# KiCad board Chameleon v1_0.kicad_pcb (continued)
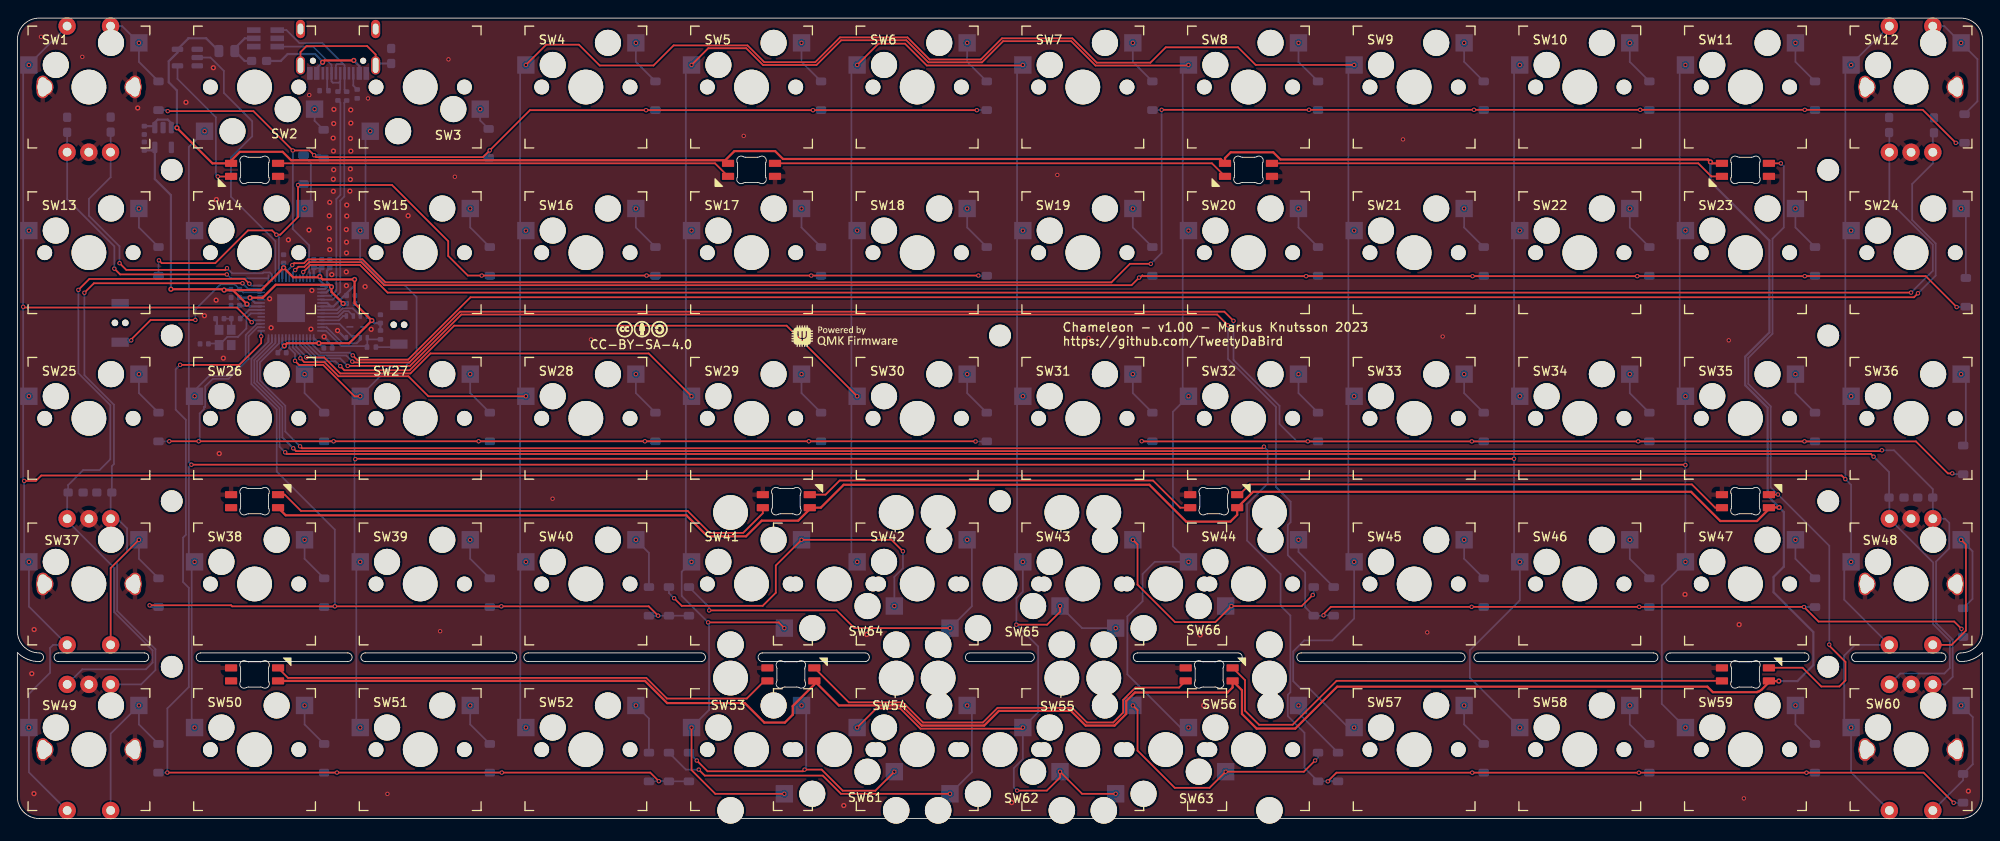
[diagram p0: board, top side]
## Nets (continued)
Net-(RGB6-DOUT): RGB6.1 RGB7.3
Net-(RGB7-DOUT): RGB7.1 RGB8.3
Net-(RGB10-DIN): RGB9.1 RGB10.3
Net-(RGB10-DOUT): RGB10.1 RGB11.3
Net-(RGB11-DOUT): RGB11.1 RGB12.3
Net-(U2-CLK): U2.6 U3.52
Net-(U2-DI(IO0)): U2.5 U3.53
Net-(U2-DO(IO1)): U2.2 U3.55
Net-(U2-IO2): U2.3 U3.54
Net-(U2-IO3): U2.7 U3.51
Net-(U2-~{CS}): R4.1 R7.2 U2.1 U3.56
Net-(U3-RUN): R3.2 SW67.2 U3.26
Net-(U3-XIN): C14.1 U3.20 Y1.1
Net-(U3-XOUT): R10.1 U3.21

Pads without a net: J1 A8 B8 S2; RGB8 1; RGB12 1; U1 4; U2 9; U3 9 24 25 35 37 38 40; U4 1; U5 4 6

## Via types
v1: diameter 0.5, hole 0.3, Top to Bottom, 263 vias
v2: diameter 0.6, hole 0.3, Top to Bottom, 75 vias

## Routing (per net, layer and track width the routed paths; a pad name or vN(x,y) marks a point on that pad's centre or on a via; arc(x,y) is an arc through that point)
+1V1: length 22.6
  Top w0.254: v2(37.46,59.22) 36.12,60.57 v2(36.12,61.15) 35.88,61.38 29.7,61.38 28.21,59.89 v2(26.74,59.89)
  Bottom w0.254: C10.1 v2(37.46,59.22) 36.75,58.51 34.93,58.51 ; U3.23 27.34,59.29 v2(26.74,59.89) 26.72,59.91 C8.1 ; U3.45 35.52,60.49 36.12,61.09 v2(36.12,61.15) 35.6,61.67 35.6,63 C9.1
+3V3: length 86.3
  Top w0.254: v2(26.39,59.15) 24.78,60.77 v2(23.77,60.77) ; v2(17.66,60.87) 23.67,60.87 v2(23.77,60.77) ; v2(23.77,60.77) 28.04,60.77 v2(30.61,63.34) 31.72,62.24 34.67,62.24 v2(34.77,62.33) 35.1,62 38.77,62 v2(38.78,61.99) 38.78,59.25 v2(40.76,57.27) 38.15,54.66 v2(34.67,54.66) 31,54.66 v2(30.69,54.36)
  Bottom w0.254: v2(23.77,60.77) 23.84,60.84 R3.1 ; U3.22 26.66,58.89 v2(26.39,59.15) 26.23,58.99 C6.1 ; C3.1 v2(30.61,63.34) 30.47,63.2 U3.33 ; 34.07,63.18 34.23,63.33 C1.1 34.77,63.08 v2(34.77,62.33) 34.77,61.91 35.56,61.11 ; 34.07,63.18 U3.42 ; 34.07,63.18 34.09,63.2 C7.1 ; U2.8 v2(40.76,57.27) 41.05,56.97 C13.1 41.75,56.96 R7.1 ; U3.44 35.34,60.89 35.56,61.11 ; v2(38.78,61.99) 38.78,61.32 36.35,58.89 U3.49 ; U3.43 35.39,61.29 35.56,61.11 ; 35.19,54.14 v2(34.67,54.66) U3.1 ; U3.10 30.47,54.58 v2(30.69,54.36) 29.95,53.62 C2.1 ; v2(17.66,60.87) 17.66,71.69 15.8,73.54 U1.5 15.46,76.84 C12.1 ; U3.48 35.64,59.29 36.05,58.89
+5V: length 648.1
  Top w0.254: v2(202.56,15.8) 201.44,15.8 RGB9.4 201.43,15.66 200.56,14.8 200.34,14.65 200.09,14.56 200.06,14.53 194.97,14.53 194.35,15.16 151.77,15.16 146.96,10.34 142.51,10.34 140.82,12.03 140.82,14.75 RGB10.4 139.75,15.08 139.16,14.49 128.51,14.49 127.51,13.49 127.51,12.03 126.17,10.69 122.85,10.69 121.16,12.38 112.87,12.38 111.18,10.69 104,10.69 101.68,13.01 94.47,13.01 RGB11.4 91.65,15.42 89.16,12.93 89.16,11.93 88.27,11.03 85.89,11.03 83.66,13.27 74.72,13.27 72.18,15.82 RGB12.4 ; RGB4.4 194.86,75.35 v2(194.7,75.51) 194.41,75.79 145.25,75.79 144.43,76.62 139.53,76.62 138.88,75.96 RGB3.4 138.37,75.85 88.04,75.85 87.14,76.75 82.45,76.75 81.4,75.7 31.48,75.7 30.51,76.67 25.57,76.67 24.57,75.67 RGB1.4 22.43,75.35 v2(18.34,79.43) ; RGB8.4 30.85,34.87 76.94,34.87 79.36,32.45 83.8,32.45 85.59,34.25 89.79,34.25 91.12,35.59 RGB7.4 92.39,35.75 95.03,38.38 130.18,38.38 134.41,34.14 139.5,34.14 140.28,34.92 RGB6.4 142.1,37.57 192.48,37.57 195.84,34.21 200.05,34.21 201.43,35.59 RGB5.4 201.45,35.77 v2(202.6,35.77)
  Bottom w0.254: v2(194.7,75.51) 194.7,73.25 201.48,66.46 201.48,55.91 198.69,53.12 198.69,49.83 201.28,47.25 201.28,37.1 v2(202.6,35.77) 203.14,35.24 203.14,28.96 201.96,27.77 201.96,26.02 206.53,21.44 206.53,17.64 204.69,15.8 v2(202.56,15.8) ; C11.1 15.64,79.62 U1.1 15.8,80.04 16.14,80.38 17.3,80.38 17.7,79.97 U1.3 17.73,79.43 v2(18.34,79.43) 18.34,83.74 17.41,84.68 17.41,87.09 18.41,88.1 U4.5 19.67,89.73 19.67,89.73 21.7,89.73 F1.2
GND: length 4.5
  Bottom w0.254: U2.4 37.64,55.29 v2(36.81,56.11) ; Y1.2 22.95,56.45 22.95,57.33 C15.2 ; v2(35.27,55.41) 36.2,54.47 C4.2
  vias: v1(2.71,89.9) v1(7.46,87.59) v1(33.56,83.2) v1(40.31,82.81) v1(42.55,2.83) v1(48.61,21.54) v1(49.58,87.3) v1(50.3,73.8) v1(61.55,36.78) v1(65.97,55.09) v1(83.53,78.5) v1(119.59,74.01) v1(123.19,55.25) v1(159.34,78.1) v1(162.13,21.4) v1(163.91,55.43) v1(196.81,54.99) v1(198.54,2.31) v2(1.66,16.66) v2(1.92,21.73) v2(1.91,2.86) v2(13.84,81.71) v2(19.38,82.36) v2(21.5,57.82) v2(22.53,86.34) v2(22.88,71.18) v2(22.85,59.61) v2(23.21,41.97) v2(23.69,52.94) v2(29,59.77) v2(29.17,56.44) v2(31.16,66.55) v2(33.53,67.68) v2(33.75,56.28) v2(33.86,60.73) v2(35.91,70.86) v2(35.86,69.31) v2(35.86,67.89) v2(35.89,66.57) v2(35.91,65.43) v2(36.15,62.55) v2(36.31,78.25) v2(36.34,76.76) v2(36.33,73.52) v2(36.33,72.13) v2(36.4,81.55) v2(36.38,79.92) v2(36.38,74.61) v2(37.83,67.73) v2(37.83,62.86) v2(37.83,61.28) v2(37.88,70.55) v2(37.88,69.29) v2(37.84,66.28) v2(37.84,65.04) v2(38.23,72.15) v2(38.33,81.49) v2(38.34,79.97) v2(38.3,78.21) v2(38.34,76.75) v2(38.3,74.71) v2(38.3,73.49) v2(39.98,61.17) v2(40.69,56.26) v2(44.94,69.32) v2(95.03,1.49) v2(97.68,21.16) v2(114.34,1.83) v2(136.03,21.12) v2(136.43,13) v2(191.78,25.77) v2(198,22.3) v2(224.36,3.16)
VBUS: length 5.4
  Bottom w0.254: U5.5 26.15,89.72 25,88.57 F1.1 26.14,87.12 FB1.2
/DN: length 24.2
  Bottom w0.2: R6.1 37.14,82.31 37.14,71.71 36.68,71.25 36.68,60.72 36.08,60.12 34.94,60.12 U3.46
/DP: length 24.9
  Bottom w0.2: U3.47 34.94,59.67 36.27,59.67 37.13,60.53 37.13,71.06 37.6,71.53 37.6,82.31 R5.1
Col_0: length 440.9
  Top w0.2: v1(210.22,39.03) 209.8,39.45 2.74,39.45 2.12,38.82 v1(0.78,38.82) ; v1(0.66,58.85) 0.75,58.76 25.24,58.76 26.94,57.07 v1(26.95,57.07)
  Bottom w0.2: v1(26.95,57.07) 27.16,57.29 U3.18 ; ENC6.S1 210.88,5.32 v1(210.88,10.46) 210.09,11.25 210.09,18.74 211.32,19.97 ENC4.S1 210.09,25.16 210.09,28.73 v1(210.88,29.51) 210.88,38.37 v1(210.22,39.03) 210.22,47.91 v1(210.87,48.56) 210.22,49.22 210.22,66.96 v1(210.87,67.61) 210.22,68.27 210.22,86.01 v1(210.87,86.66) 210.87,86.72 ENC2.S2 ; ENC5.S1 1.32,5.32 v1(1.32,10.46) 1.32,14.33 3.75,16.76 3.75,19.61 4.12,19.97 ENC3.S1 1.33,24.37 v1(1.33,29.51) 0.78,30.05 v1(0.78,38.82) 0.66,38.94 0.66,47.9 v1(1.33,48.56) 0.66,49.23 v1(0.66,58.85) 0.66,66.95 v1(1.33,67.61) 0.66,68.28 0.66,86 v1(1.33,86.66) 1.33,86.73 5.73,91.12
Col_1: length 335.3
  Top w0.2: v1(20.02,40.69) 191.78,40.69 v1(191.82,40.65)
  Bottom w0.2: v1(20.37,10.46) 20.05,10.79 20.05,29.18 v1(20.38,29.51) 19.71,30.18 19.71,40.39 v1(20.02,40.69) 19.71,40.99 19.71,47.91 v1(20.37,48.56) ; v1(20.37,48.56) 20.37,49.22 22.05,50.89 24.14,50.89 26.26,53.01 26.26,55.61 27.54,56.89 U3.17 ; v1(20.37,48.56) 19.71,49.22 19.71,66.95 v1(20.38,67.61) 19.71,68.28 19.71,77.24 v1(21.52,79.04) ; v1(191.82,10.46) 189.1,13.18 189.1,26.8 v1(191.82,29.51) v1(191.82,48.56) 191.16,49.22 191.16,66.95 v1(191.83,67.61) 191.16,68.28 191.16,86.66
  vias: v1(191.83,86.66)
Col_2: length 305.5
  Top w0.2: v1(172.12,41.37) 38.91,41.37 v1(38.86,41.33) ; v1(31.92,52.63) 32.41,52.15 35.17,52.15 38.77,48.56 v1(39.43,48.56)
  Bottom w0.2: v1(172.77,86.66) 172.12,86.01 172.12,68.27 v1(172.77,67.61) 172.12,66.96 172.12,49.23 v1(172.78,48.56) 172.12,47.9 v1(172.12,41.37) 172.12,30.18 v1(172.78,29.51) 172.78,25.1 167.03,19.35 167.03,16.2 v1(172.77,10.46) ; U3.8 31.27,54.12 31.92,53.46 v1(31.92,52.63) ; v1(39.42,10.46) 38.97,10.91 38.97,29.07 v1(39.42,29.51) 38.77,30.17 38.77,41.23 v1(38.86,41.33) 38.77,41.42 38.77,47.9 v1(39.43,48.56) 42.85,51.99 44.6,51.99 45.91,53.29 45.91,59.96 44.53,61.33 42.3,61.33 39.42,64.21 v1(39.42,67.61) 40.03,68.23 40.03,79.04
  vias: v1(40.58,79.04)
Col_3: length 299.3
  Top w0.2: v1(58.48,86.66) 60.81,88.99 64.58,88.99 66.97,86.6 73.16,86.6 75.47,88.91 83.96,88.91 85.89,86.98 91.75,86.98 94.6,89.83 102.36,89.83 104.9,87.29 110.79,87.29 113.22,89.72 121.32,89.72 124.12,86.92 130.29,86.92 132.06,88.69 140.38,88.69 142.41,86.66 v1(153.72,86.66) ; v1(32.55,52.93) 33,52.48 35.31,52.48 36.93,50.86 44.97,50.86 47.27,48.56 v1(58.47,48.56)
  Bottom w0.2: U3.7 31.67,54.18 32.55,53.31 v1(32.55,52.93) ; 57.83,10.48 57.83,28.88 v1(58.47,29.51) 57.81,30.17 57.81,47.91 v1(58.47,48.56) 57.81,49.22 57.81,66.95 v1(58.48,67.61) 57.81,68.28 57.81,86 v1(58.48,86.66) ; 153.06,10.46 148.53,14.99 147.53,14.99 146.72,15.8 146.72,19.22 147.98,20.48 151.22,20.48 153.72,22.99 v1(153.72,29.51) 153.06,30.17 153.06,47.91 v1(153.72,48.56) 153.06,49.22 153.06,66.95 v1(153.73,67.61) 153.06,68.28 153.06,86.01 v1(153.72,86.66)
  vias: v1(58.48,10.46) v1(153.72,10.46)
Col_4: length 307
  Top w0.2: v1(77.53,10.46) 77.53,5.57 80.25,2.84 v1(88.2,2.84) ; v1(134.68,86.66) 134.61,86.6 123.99,86.6 121.19,89.4 113.36,89.4 110.93,86.97 104.76,86.97 102.22,89.5 94.74,89.5 91.89,86.66 85.75,86.66 83.82,88.59 79.45,88.59 v1(77.52,86.66) ; v1(33.22,53.03) 35.28,53.03 37.12,51.19 45.2,51.19 47.49,53.48 72.61,53.48 v1(77.52,48.56) ; v1(88.2,21.89) 87.54,22.56 v1(79.43,22.56)
  Bottom w0.2: 134.01,86.66 134.01,68.28 v1(134.68,67.61) 134.01,66.95 134.01,49.22 v1(134.67,48.56) 132.88,46.78 132.88,31.3 v1(134.67,29.51) 130.79,29.51 129.4,28.11 129.4,24.99 127.65,23.24 127.65,16.58 133.76,10.46 v1(134.68,10.46) ; v1(77.53,10.46) 79.55,12.48 79.55,22.45 v1(79.43,22.56) 76.4,25.59 76.4,28.39 v1(77.53,29.51) 76.86,30.18 76.86,47.91 v1(77.52,48.56) 76.86,49.22 76.86,66.96 v1(77.52,67.61) 76.86,68.27 76.86,86.66 ; v1(33.22,53.03) 33.22,53.09 32.07,54.24 U3.6
Col_5: length 287.3
  Top w0.2: v1(126.3,2.84) 122.44,2.84 v1(119.9,5.38) 119.9,4.72 118.39,3.22 v1(114.97,3.22) ; v1(37.14,52.02) 37.61,51.55 45.1,51.55 50.23,56.68 88.45,56.68 v1(96.57,48.56) ; v1(115.62,10.46) 115.5,10.34 103.85,10.34 101.53,12.65 98.77,12.65 v1(96.58,10.46) ; v1(119.9,24.43) 119.9,23.77 118.42,22.29 v1(114.88,22.29) ; v1(96.58,86.66) 99.03,89.11 102.07,89.11 104.59,86.6 115.56,86.6 v1(115.62,86.66)
  Bottom w0.2: v1(96.58,86.66) 95.91,86 95.91,68.27 v1(96.57,67.61) 95.91,66.96 95.91,49.22 v1(96.57,48.56) 95.91,47.91 95.91,30.18 v1(96.58,29.51) ; U3.5 32.47,54.51 34.4,52.58 36.58,52.58 v1(37.14,52.02) ; 114.97,86.66 114.97,68.28 v1(115.63,67.61) 114.97,66.95 114.97,49.23 v1(115.63,48.56) 114.97,47.9 114.97,30.17 v1(115.62,29.51) 115.62,26.08 114.88,25.34 v1(114.88,22.29) 117.4,19.78 117.4,12.24 v1(115.62,10.46) 115.62,6.82 114.59,5.78 114.59,3.59 v1(114.97,3.22) ; v1(119.9,24.43) 122.44,21.89 v1(126.3,21.89)
D+: length 14.4
  Bottom w0.2: R5.2 37.62,83.83 J1.B6 37.62,86.63 37.48,86.78 ; 37.48,86.78 35.07,89.18 32.44,89.18 30.94,90.67 U5.1 ; 37.48,86.78 37.46,86.76 36.75,86.76 36.62,86.63 J1.A6
D-: length 12.3
  Bottom w0.2: J1.A7 37.12,84.77 ; 37.12,84.77 36.97,84.62 36.28,84.62 36.12,84.78 J1.B7 36.12,86.68 34.03,88.77 U5.3 ; 37.12,84.77 37.12,83.86 R6.2
Earth_Protective: length 14
  Top w0.2: J1.S1 41.19,87.86 40.22,88.83 33.25,88.83 32.55,88.14 J1.S1
  Bottom w0.254: J1.S1 41.41,86.83 FB2.1
ENC1: length 9.4
  Bottom w0.2: 10.73,91.12 12.05,91.12 v1(13.97,89.2) 13.97,87.03 D1.2
ENC1_A: length 36.1
  Top w0.2: v1(11.15,63.24) 11.82,62.57 v1(24.08,62.57)
  Bottom w0.2: v1(11.15,63.24) 11.15,65.81 5.73,71.23 C16.1 ; v1(24.08,62.57) 24.53,62.13 U3.29
ENC1_B: length 36.3
  Top w0.2: v1(24.1,63.28) 23.91,63.09 12.52,63.09 v1(11.74,63.87)
  Bottom w0.2: C17.2 10.73,73.75 8.23,71.25 8.23,69.32 11.74,65.8 v1(11.74,63.87) ; v1(24.1,63.28) 24.69,62.7 28.2,62.7 28.3,62.8 29.04,62.8 29.27,62.56 U3.30
ENC2: length 13.6
  Bottom w0.2: ENC2.S1 221.6,91.12 v1(223.52,89.2) 225.41,87.32 225.41,82.49 D12.2
ENC2_A: length 208.8
  Top w0.2: v1(32.87,62.85) 33.68,63.65 39.41,63.65 42.58,60.48 v1(217.78,60.48)
  Bottom w0.2: v1(217.78,60.48) 220.28,62.98 220.28,65.99 215.28,70.99 ENC2.A 215.28,78.86 C18.1 ; U3.39 v1(32.87,62.85)
ENC2_B: length 210.8
  Top w0.2: v1(38.56,53.26) 39.05,52.77 44.94,52.77 52.11,59.95 218.11,59.95 v1(218.56,60.4)
  Bottom w0.2: U3.2 33.67,54.77 34.86,53.57 38.25,53.57 v1(38.56,53.26) ; v1(218.56,60.4) 220.6,62.44 220.6,66.13 217.91,68.83 217.91,72.97 220.28,75.34 ENC2.B 220.28,78.73 C19.2
ENC3: length 18.8
  Top w0.2: ENC3.S2 10.73,28.8 v1(13.98,32.05)
  Bottom w0.2: D37.2 13.98,29.87 v1(13.98,32.05)
ENC3_A: length 84.3
  Top w0.2: v1(26.67,61.5) 26.12,62.05 8.27,62.05 v1(7.02,60.79)
  Bottom w0.2: v1(26.67,61.5) 26.88,61.29 U3.28 ; ENC5.B 7.46,17.16 14.77,17.16 15.55,17.94 15.55,19.34 11.14,23.74 11.14,28.82 5.73,34.24 ENC3.B 5.73,37.39 C21.2 5.83,38.34 7.56,40.07 9.45,40.07 10.69,41.31 10.69,47.54 7.02,51.21 v1(7.02,60.79)
ENC3_B: length 75.4
  Top w0.2: v1(25.89,61.55) 8.8,61.55 v1(7.7,60.46)
  Bottom w0.2: v1(7.7,60.46) 7.7,50.98 11.1,47.59 11.1,40.76 10.86,40.52 C20.1 10.73,37.36 ENC3.A 11.5,34.47 12.62,33.36 12.62,30.68 11.47,29.54 11.47,23.88 15.88,19.47 15.88,17.07 14.23,15.42 ENC5.A ; v1(25.89,61.55) 26.55,60.89 U3.27
ENC4: length 24
  Top w0.2: ENC4.S2 222.44,19.97 224.08,21.61 224.08,31.5 v1(223.52,32.05)
  Bottom w0.2: D48.2 224.84,25.26 224.84,30.74 v1(223.52,32.05)
ENC4_A: length 234
  Top w0.2: v1(213.47,41.61) 213.16,41.92 30.98,41.92 v1(30.8,42.11)
  Bottom w0.2: ENC6.B 216.53,16.67 221.6,16.67 222.23,17.31 222.23,20.43 220.32,22.34 220.32,29.43 ENC4.B 215.28,36.88 C23.2 215.24,39.84 v1(213.47,41.61) ; U3.13 29.27,54.77 27.24,52.74 27.24,50.11 30.15,47.2 30.15,42.76 v1(30.8,42.11)
ENC4_B: length 233.1
  Top w0.2: v1(214.41,42.35) 214.31,42.25 32.05,42.25 v1(31.72,42.57)
  Bottom w0.2: v1(214.41,42.35) 215.81,42.35 220.27,37.89 C22.1 220.28,36.91 ENC4.A 221.69,34.47 222.16,34 222.16,31.06 220.65,29.54 220.65,22.48 222.55,20.57 222.55,16.29 221.69,15.42 ENC6.A ; U3.12 29.67,54.7 27.57,52.6 27.57,50.24 30.48,47.33 30.48,43.82 v1(31.72,42.57)
ENC5: length 18.8
  Bottom w0.2: ENC5.S2 10.73,9.75 v1(13.98,13) 13.97,10.83 D49.2
ENC6: length 14.5
  Bottom w0.2: ENC6.S2 223.76,4.41 D60.2 224.86,6.24 224.86,11.67 v1(223.53,13)
RGB: length 32
  Bottom w0.2: U4.2 22.2,87.51 23.74,85.97 23.74,83.44 27,80.18 27,78.45 24.55,76 24.55,71.51 29.67,66.4 U3.31
Row_0: length 119.4
  Top w0.2: v1(17.28,81.35) 27.14,81.35 v1(31.67,76.83) 33.58,76.83 v1(34.12,76.28) 34.34,76.06 53.55,76.06 v1(54.31,76.83) 58.94,81.46 v1(72.3,81.46) v1(91.5,81.46) v1(110.34,81.46)
  Bottom w0.2: v1(110.34,81.46) 110.34,81.47 D6.1 ; v1(91.5,81.46) 91.5,81.47 D5.1 ; v1(17.28,81.35) 17.16,81.47 D1.1 ; v1(34.12,76.28) 34.83,76.28 D2.1 ; D4.1 72.3,81.47 v1(72.3,81.46) ; U3.41 33.67,62.73 33.56,62.84 33.56,63.65 33.58,63.66 33.56,63.68 33.56,65.92 31.67,67.81 v1(31.67,76.83) ; v1(54.31,76.83) 54.19,76.71 D3.1
Row_1: length 220.5
  Top w0.2: v1(222.91,77.7) 219.12,81.5 v1(205.54,81.5) v1(186.62,81.5) v1(167.5,81.5) v1(148.53,81.5) v1(131.59,81.5) ; v1(130.34,63.79) 127.94,63.79 125.81,61.66 42.32,61.66 39.68,64.31 33.41,64.31 32.97,63.87 31.83,63.87 v1(31.61,63.65)
  Bottom w0.2: v1(167.5,81.5) 167.53,81.47 D9.1 ; D11.1 205.57,81.47 v1(205.54,81.5) ; D8.1 148.56,81.47 v1(148.53,81.5) ; v1(31.61,63.65) 31.61,63.57 30.87,62.83 U3.34 ; D10.1 186.66,81.47 v1(186.62,81.5) ; v1(130.34,63.79) 131.59,65.03 v1(131.59,81.5) 131.56,81.47 D7.1 ; v1(222.91,77.7) 223.92,77.7 D12.1
Row_2: length 117.6
  Top w0.2: v1(110.51,62.44) v1(91.3,62.44) v1(72.36,62.44) v1(53.39,62.44) 51.8,62.44 49.55,64.7 49.55,66.39 43.08,72.85 v1(32.28,72.85) 32.28,69.19 30.23,67.14 v1(29.78,67.14) 29.3,67.63 26.52,67.63 22.76,63.87 16.6,63.87 v1(16.27,64.19)
  Bottom w0.2: D14.1 32.78,72.85 v1(32.28,72.85) ; D16.1 72.38,62.42 v1(72.36,62.44) ; v1(29.78,67.14) 30.07,66.86 U3.32 ; D15.1 53.41,62.42 v1(53.39,62.44) ; D17.1 91.31,62.42 v1(91.3,62.44) ; v1(16.27,64.19) 16.23,64.14 D13.1 ; v1(110.51,62.44) 110.53,62.42 D18.1
Row_3: length 203.6
  Top w0.2: v1(31.95,63.08) 32.32,63.45 33.02,63.45 33.54,63.98 39.54,63.98 42.19,61.33 128.12,61.33 v1(129,62.2) 129.12,62.2 129.38,62.45 129.46,62.37 v1(148.21,62.37) v1(167.34,62.37) v1(186.28,62.37) v1(205.54,62.37) 219.47,62.37 v1(223.02,58.82)
  Bottom w0.2: v1(148.21,62.37) 148.25,62.42 D20.1 ; D23.1 205.59,62.42 v1(205.54,62.37) ; D22.1 186.34,62.42 v1(186.28,62.37) ; D24.1 224.03,58.82 v1(223.02,58.82) ; D21.1 167.4,62.42 v1(167.34,62.37) ; v1(129,62.2) 129.22,62.42 D19.1 ; v1(31.95,63.08) 31.67,62.8 U3.36
Row_4: length 117.8
  Top w0.2: v1(17.46,43.38) v1(20.84,43.38) v1(36.36,43.38) v1(53.05,43.38) v1(72.16,43.38) v1(91.02,43.38) 110.16,43.38 v1(110.19,43.36)
  Bottom w0.2: v1(72.16,43.38) 72.17,43.37 D28.1 ; U3.16 27.61,56.49 26.59,55.48 26.59,52.87 24.28,50.57 22.48,50.57 21.6,49.69 21.6,47.34 21.45,47.34 21.45,47.06 20.96,46.58 20.96,43.5 v1(20.84,43.38) ; D29.1 91.03,43.37 v1(91.02,43.38) ; D27.1 53.05,43.37 v1(53.05,43.38) ; v1(36.36,43.38) 35.28,43.38 D26.1 ; v1(110.19,43.36) 111.47,43.36 D30.1 ; D25.1 17.45,43.37 v1(17.46,43.38)
Row_5: length 231.4
  Top w0.2: v1(139.85,57.23) 138.8,58.29 50.91,58.29 45.07,52.45 38.62,52.45 v1(38.52,52.55) ; v1(129.29,43.39) 129.31,43.37 v1(148.4,43.37) v1(167.25,43.37) v1(186.4,43.37) v1(205.51,43.37) 218.32,43.37 222,39.69 v1(222.52,39.69)
  Bottom w0.2: D34.1 v1(186.4,43.37) ; v1(205.51,43.37) D35.1 ; v1(38.52,52.55) 37.82,53.25 34.66,53.25 33.27,54.64 U3.3 ; D33.1 v1(167.25,43.37) ; D31.1 130.5,43.39 v1(129.29,43.39) ; D32.1 v1(148.4,43.37) 147.15,43.37 145.15,45.37 145.15,47.46 139.85,52.75 v1(139.85,57.23) ; D36.1 222.61,39.6 v1(222.52,39.69)
Row_6: length 104
  Top w0.2: v1(15.2,24.51) 15.21,24.52 24.57,24.52 24.7,24.4 v1(36.5,24.4) v1(55.66,24.4) 72.6,24.4 v1(73.68,23.32)
  Bottom w0.2: D38.1 36.42,24.32 v1(36.5,24.4) 36.5,33.22 29.82,39.9 29.82,47.05 26.91,49.97 26.91,52.87 28.87,54.83 U3.14 ; D37.1 15.39,24.32 v1(15.2,24.51) ; v1(55.66,24.4) 55.58,24.32 D39.1 ; D42.1 D41.1 D40.1 v1(73.68,23.32)
Row_7: length 230.9
  Top w0.2: v1(37.98,52.05) 45.14,52.05 51.05,57.96 137.97,57.96 v1(139.22,56.71) ; v1(150.21,23.36) 150.21,23.5 151.04,24.34 v1(167.23,24.34) v1(186.51,24.34) 205.44,24.34 v1(205.47,24.32) 207.13,22.65 222.73,22.65 v1(223.58,21.81)
  Bottom w0.2: D45.1 167.25,24.32 v1(167.23,24.34) ; v1(139.22,56.71) 139.22,52.85 144.73,47.34 144.73,38.13 146.43,36.43 146.43,34.08 146.1,33.76 146.1,30.28 148.09,28.28 148.09,24.3 D43.1 150.16,23.32 v1(150.21,23.36) 151.34,23.36 D44.1 ; D48.1 223.58,21.06 v1(223.58,21.81) ; v1(37.98,52.05) 37.12,52.92 34.52,52.92 32.87,54.57 U3.4 ; D46.1 186.53,24.32 v1(186.51,24.34) ; v1(205.47,24.32) D47.1
Row_8: length 126.2
  Top w0.2: v1(73.77,4.29) 72.78,5.28 v1(55.7,5.28) v1(36.75,5.28) v1(17.24,5.28) ; v1(28.03,55.45) 28.03,54.67 25.53,52.17 v1(18.71,52.17)
  Bottom w0.2: D53.1 D54.1 74.91,4.29 v1(73.77,4.29) 73.75,4.27 D52.1 ; v1(18.71,52.17) 18.2,51.67 18.2,47.02 19.38,45.85 19.38,32.62 19.05,32.3 19.05,27.2 19.71,26.54 19.71,15.13 17.24,12.66 v1(17.24,5.28) 17.23,5.27 D49.1 ; D50.1 36.73,5.27 v1(36.75,5.28) ; D51.1 55.69,5.27 v1(55.7,5.28) ; U3.15 v1(28.03,55.45)
Row_9: length 251.5
  Top w0.2: v1(222.67,1.81) 219.22,5.27 v1(205.75,5.27) v1(186.47,5.27) v1(167.31,5.27) 151.69,5.27 v1(150.69,4.27) ; v1(32.5,42.8) 32.73,42.58 143.17,42.58 v1(143.35,42.76)
  Bottom w0.2: D59.1 v1(205.75,5.27) ; v1(150.69,4.27) D56.1 D55.1 148.01,5.83 148.01,9.86 146.1,11.78 146.1,14.23 146.4,14.53 146.4,23.34 145.26,24.47 145.26,28.11 141.41,31.96 141.41,36.15 143.78,38.52 143.78,42.33 v1(143.35,42.76) ; v1(222.67,1.81) 223.74,1.81 D60.1 ; D58.1 v1(186.47,5.27) ; U3.11 30.07,54.64 27.89,52.46 27.89,50.38 30.81,47.47 30.81,44.5 v1(32.5,42.8) ; D57.1 v1(167.31,5.27)
Net-(C15-Pad1): length 2.2
  Bottom w0.2: C15.1 24.59,57.48 R10.2 24.6,56.21 Y1.3
Net-(D2-A): length 2.8
  Bottom w0.2: v1(34.18,81.58) 34.18,80.24 D2.2
Net-(D3-A): length 2.7
  Bottom w0.2: D3.2 53.22,80.28 v1(53.22,81.58)
Net-(D4-A): length 5.4
  Bottom w0.2: v1(71.13,89.2) 71.13,87.02 D4.2
Net-(D5-A): length 5.4
  Bottom w0.2: D5.2 90.17,87.03 v1(90.17,89.2)
Net-(D6-A): length 5.4
  Bottom w0.2: D6.2 109.23,87.02 v1(109.23,89.2)
Net-(D7-A): length 5.4
  Bottom w0.2: v1(128.27,89.2) 128.27,87.03 D7.2
Net-(D8-A): length 5.4
  Bottom w0.2: D8.2 147.32,87.03 v1(147.32,89.2)
Net-(D9-A): length 5.4
  Bottom w0.2: D9.2 166.37,87.03 v1(166.37,89.2)
Net-(D10-A): length 5.4
  Bottom w0.2: v1(185.43,89.2) 185.43,87.02 D10.2
Net-(D11-A): length 5.4
  Bottom w0.2: D11.2 204.47,87.03 v1(204.47,89.2)
Net-(D13-A): length 5.4
  Bottom w0.2: v1(13.98,70.15) 13.98,67.97 D13.2
Net-(D14-A): length 6.8
  Bottom w0.2: v1(33.03,70.15) 33.74,70.87 33.74,75.44 D14.2
Net-(D15-A): length 5.4
  Bottom w0.2: v1(52.08,70.15) 52.08,67.97 D15.2
Net-(D16-A): length 5.4
  Bottom w0.2: v1(71.13,70.15) 71.13,67.97 D16.2
Net-(D17-A): length 5.4
  Bottom w0.2: D17.2 90.18,67.97 v1(90.18,70.15)
Net-(D18-A): length 5.4
  Bottom w0.2: D18.2 109.23,67.97 v1(109.23,70.15)
Net-(D19-A): length 5.4
  Bottom w0.2: D19.2 128.27,67.98 v1(128.27,70.15)
Net-(D20-A): length 5.4
  Bottom w0.2: D20.2 147.33,67.97 v1(147.33,70.15)
Net-(D21-A): length 5.4
  Bottom w0.2: v1(166.37,70.15) 166.37,67.98 D21.2
Net-(D22-A): length 5.4
  Bottom w0.2: D22.2 185.43,67.97 v1(185.43,70.15)
Net-(D23-A): length 5.4
  Bottom w0.2: v1(204.48,70.15) 204.48,67.97 D23.2
Net-(D24-A): length 8.2
  Bottom w0.2: D24.2 224.08,69.61 v1(223.53,70.15)
Net-(D25-A): length 5.4
  Bottom w0.2: D25.2 13.98,48.92 v1(13.98,51.1)
Net-(D26-A): length 5.4
  Bottom w0.2: v1(33.03,51.1) 33.03,48.92 D26.2
Net-(D27-A): length 5.4
  Bottom w0.2: v1(52.08,51.1) 52.08,48.92 D27.2
Net-(D28-A): length 5.4
  Bottom w0.2: D28.2 71.13,48.92 v1(71.13,51.1)
Net-(D29-A): length 5.4
  Bottom w0.2: D29.2 90.18,48.92 v1(90.18,51.1)
Net-(D30-A): length 5.4
  Bottom w0.2: v1(109.22,51.1) 109.22,48.93 D30.2
Net-(D31-A): length 5.4
  Bottom w0.2: v1(128.27,51.1) 128.27,48.93 D31.2
Net-(D32-A): length 5.4
  Bottom w0.2: D32.2 147.33,48.92 v1(147.33,51.1)
Net-(D33-A): length 5.4
  Bottom w0.2: v1(166.38,51.1) 166.38,48.92 D33.2
Net-(D34-A): length 5.4
  Bottom w0.2: v1(185.43,51.1) 185.43,48.92 D34.2
Net-(D35-A): length 5.4
  Bottom w0.2: D35.2 204.47,48.93 v1(204.47,51.1)
Net-(D36-A): length 8.6
  Bottom w0.2: v1(223.52,51.1) 224.07,50.56 224.07,43.2 D36.2
Net-(D38-A): length 5.4
  Bottom w0.2: v1(33.02,32.05) 33.02,29.88 D38.2
Net-(D39-A): length 5.4
  Bottom w0.2: D39.2 52.07,29.88 v1(52.07,32.05)
Net-(D40-A): length 6.1
  Bottom w0.2: v1(71.13,32.05) 72.62,30.56 D40.2
Net-(D41-A): length 40.4
  Top w0.2: v1(75.53,25.33) 76.39,24.46 85.72,24.46 87.22,25.96 87.22,29.09 v1(90.18,32.05) 100.51,32.05 v1(101.84,30.73)
  Bottom w0.2: v1(100.85,24.43) 100.85,27.79 101.84,28.77 v1(101.84,30.73) ; v1(75.53,25.33) 74.92,25.93 D41.2
Net-(D42-A): length 43.6
  Top w0.2: v1(107.25,21.89) 96.25,21.89 94.21,23.93 v1(79.55,23.93)
  Bottom w0.2: v1(109.22,32.05) 109.76,31.51 109.76,24.41 v1(107.25,21.89) ; D42.2 79.55,24.29 v1(79.55,23.93)
Net-(D43-A): length 29.6
  Top w0.2: v1(148.97,25.7) 147.69,24.43 v1(139.61,24.43) 137.76,22.58 133.13,22.58 128.81,26.9 128.81,31.51 v1(128.27,32.05)
  Bottom w0.2: D43.2 149.07,25.81 v1(148.97,25.7)
Net-(D44-A): length 7.1
  Bottom w0.2: D44.2 147.32,30.68 v1(147.32,32.05)
Net-(D45-A): length 5.4
  Bottom w0.2: D45.2 166.37,29.88 v1(166.37,32.05)
Net-(D46-A): length 5.4
  Bottom w0.2: v1(185.43,32.05) 185.43,29.87 D46.2
Net-(D47-A): length 5.4
  Bottom w0.2: D47.2 204.48,29.87 v1(204.48,32.05)
Net-(D50-A): length 5.4
  Bottom w0.2: v1(33.03,13) 33.03,10.82 D50.2
Net-(D51-A): length 5.4
  Bottom w0.2: v1(52.07,13) 52.07,10.83 D51.2
Net-(D52-A): length 6.1
  Bottom w0.2: v1(71.12,13) 72.62,11.5 D52.2
Net-(D53-A): length 34.2
  Top w0.2: v1(100.85,5.38) 98.67,3.2 94.91,3.2 92.49,5.62 v1(90.53,5.62) 90.33,5.44 79.36,5.44 v1(78.13,6.67)
  Bottom w0.2: v1(90.53,5.62) 90.72,5.81 90.72,12.47 v1(90.18,13) ; D53.2 v1(78.13,6.67)
Net-(D54-A): length 45.5
  Top w0.2: v1(78.36,5.62) 79.05,4.94 92.62,4.94 94.72,2.84 v1(107.25,2.84)
  Bottom w0.2: D54.2 76.88,5.62 v1(78.36,5.62) ; v1(107.25,2.84) SW62.2 109.76,5.36 109.76,13
  vias: v1(109.22,13)
Net-(D55-A): length 29.9
  Top w0.2: v1(149.23,6.67) 147.94,5.38 v1(138.95,5.38) 137.1,3.53 133.09,3.53 128.81,7.81 128.81,12.47 v1(128.28,13)
  Bottom w0.2: D55.2 149.57,7.01 v1(149.23,6.67)
Net-(D56-A): length 7.3
  Bottom w0.2: D56.2 147.33,12.12 v1(147.33,13)
Net-(D57-A): length 5.4
  Bottom w0.2: v1(166.37,13) 166.37,10.83 D57.2
Net-(D58-A): length 5.4
  Bottom w0.2: D58.2 185.42,10.83 v1(185.42,13)
Net-(D59-A): length 5.4
  Bottom w0.2: D59.2 204.47,10.83 v1(204.47,13)
Net-(FB1-Pad1): length 14.2
  Top w0.254: v2(35.09,86.96) 35.31,87.18 v2(38.69,87.18)
  Bottom w0.254: J1.A9 39.33,86.54 v2(38.69,87.18) ; FB1.1 30.28,87.12 31.08,87.92 34.24,87.92 35.09,87.07 v2(35.09,86.96) 34.42,86.29 J1.A4
Net-(J1-CC1): length 2.1
  Bottom w0.2: R1.2 35.62,83.85 J1.A5
Net-(J1-CC2): length 2
  Bottom w0.2: J1.B5 38.62,84.29 R2.1
Net-(R4-Pad2): length 2.8
  Bottom w0.2: SW68.2 43.53,54.21 R4.2
Net-(RGB1-DIN): length 16.2
  Top w0.2: v1(23.05,73.83) 24.56,73.83 RGB1.3
  Bottom w0.2: U4.4 18.41,85.06 22.82,80.64 22.82,74.05 v1(23.05,73.83)
Net-(RGB1-DOUT): length 52.4
  Top w0.2: 29.92,75.35 80.22,75.35 RGB2.3
Net-(RGB2-DOUT): length 52.4
  Top w0.2: 87.08,75.35 137.38,75.35 RGB3.3
Net-(RGB3-DOUT): length 52.5
  Top w0.2: 144.22,75.35 193.3,75.35 194.8,73.85 196.07,73.85
Net-(RGB4-DOUT): length 78.4
  Top w0.2: v1(208.37,20) 208.37,19.87 210.22,18.01 210.22,15.88 209.53,15.18 207.45,15.18 205.3,17.34 201.43,17.34 ; 201.38,75.35 v1(202.8,75.35) ; v1(202.47,37.26) 202.45,37.25 201.38,37.25
  Bottom w0.2: v1(202.8,75.35) 203.13,75.01 203.13,67.97 201.84,66.68 201.84,55.76 199.05,52.97 199.05,49.98 201.63,47.39 201.63,38.09 v1(202.47,37.26) 208.37,31.36 v1(208.37,20)
Net-(RGB5-DOUT): length 57.3
  Top w0.2: RGB5.1 195.24,35.75 192.56,38.42 141.71,38.42 140.54,37.25 RGB6.3
Net-(RGB6-DOUT): length 45.7
  Top w0.2: RGB7.3 92.94,37.25 94.56,38.87 130.59,38.87 133.72,35.75 RGB6.1
Net-(RGB7-DOUT): length 59.1
  Top w0.2: RGB8.3 30.74,37.25 32.61,35.37 77.08,35.37 79.6,32.86 83.47,32.86 85.72,35.11 RGB7.1
Net-(RGB10-DIN): length 63.1
  Top w0.2: 139.75,17.34 141.18,15.91 141.18,12.4 142.79,10.78 146.66,10.78 151.71,15.84 196.03,15.84
Net-(RGB10-DOUT): length 49.5
  Top w0.2: RGB10.1 133.59,15.06 128.58,15.06 127.16,13.64 127.16,12.18 126.02,11.04 123,11.04 121.31,12.73 112.72,12.73 111.03,11.04 104.15,11.04 101.83,13.36 95.61,13.36 RGB11.3
Net-(RGB11-DOUT): length 58.6
  Top w0.2: RGB11.1 85.9,15.82 83.88,13.8 74.7,13.8 72.32,16.18 31.12,16.18 RGB12.3
Net-(U2-CLK): length 4.2
  Bottom w0.2: U2.6 38.08,58.35 37.55,58.35 36.9,57.69 U3.52
Net-(U2-DI(IO0)): length 3.1
  Bottom w0.2: U3.53 36.96,57.29 37.46,57.79 U2.5
Net-(U2-DO(IO1)): length 5.7
  Bottom w0.2: U2.2 39.44,55.07 39.02,54.65 37.4,54.65 35.63,56.42 35.63,56.42 35.55,56.49 U3.55
Net-(U2-IO2): length 4.4
  Bottom w0.2: U3.54 37.03,56.89 U2.3
Net-(U2-IO3): length 5.1
  Bottom w0.2: U3.51 36.83,58.09 37.41,58.67 38.56,58.67 U2.7
Net-(U2-~{CS}): length 8.6
  Bottom w0.2: U3.56 35.5,56.09 37.26,54.33 40.22,54.33 40.27,54.37 40.23,54.4 U2.1 40.42,55.1 R7.2
Net-(U3-RUN): length 20.1
  Top w0.2: v1(13.09,54.99) 13.09,55.1 15.32,57.33 v1(20.46,57.33)
  Bottom w0.2: v1(20.46,57.33) 20.46,58.54 23.36,61.43 24.99,61.43 R3.2 25.94,60.49 U3.26 ; v1(13.09,54.99) 12.88,54.78 SW67.2
Net-(U3-XIN): length 8.4
  Bottom w0.2: 21.94,54.62 23.02,54.62 Y1.1 24.14,55.4 25.35,55.4 25.38,55.42 25.39,55.42 26.34,56.36 26.34,57.57 26.85,58.09 U3.20
Net-(U3-XOUT): length 2.8
  Bottom w0.2: U3.21 26.65,58.49 25.65,57.49 R10.1

## Copper pours and planes (outline as drawn; the poured copper is in the pictures)
GND on Top, Bottom: 230.26,97.81 230.26,-5.56 -4.28,-5.56 -4.32,-5.52 -4.3,97.81

## Text on the board
B.Silkscreen: 2 x 2u | 1 x 2u | The Chameleon PCB supports a 5x12 or 4x12 matrix with 8 RGB LEDs for under-glow and one encoder per corner. / Each layout supports a full matrix, a single 2u or two 2u keys on the bottom row. Please note that 2u keys and stabilizers should only be installed at the CURRENT bottom row. | The bottom corner encoders connect in parallel to the same input, and only ONE encoder per corner is functional at each time. Please do NOT install encoders in both rows! / The optional placements for RGB LEDs are parallel, and only ONE bottom row is functional at each time. Please do NOT install LEDs in both bottom rows! | To use the 4x12 layout, break away the bottom row. First, use an exacto knife or a small rotary tool to score the tabs for a clean break. File off any remaining sharp edges. / Please note that removing the bottom row of keys disables the bottom row of RGB LEDs. | BOOT | RESET
F.Silkscreen: Chameleon - v1.00 - Markus Knutsson 2023 / https://github.com/TweetyDaBird
